# Altium PCB Tag201_GangProgrammerRev2.PcbDoc (part 2 of 7) (continued)
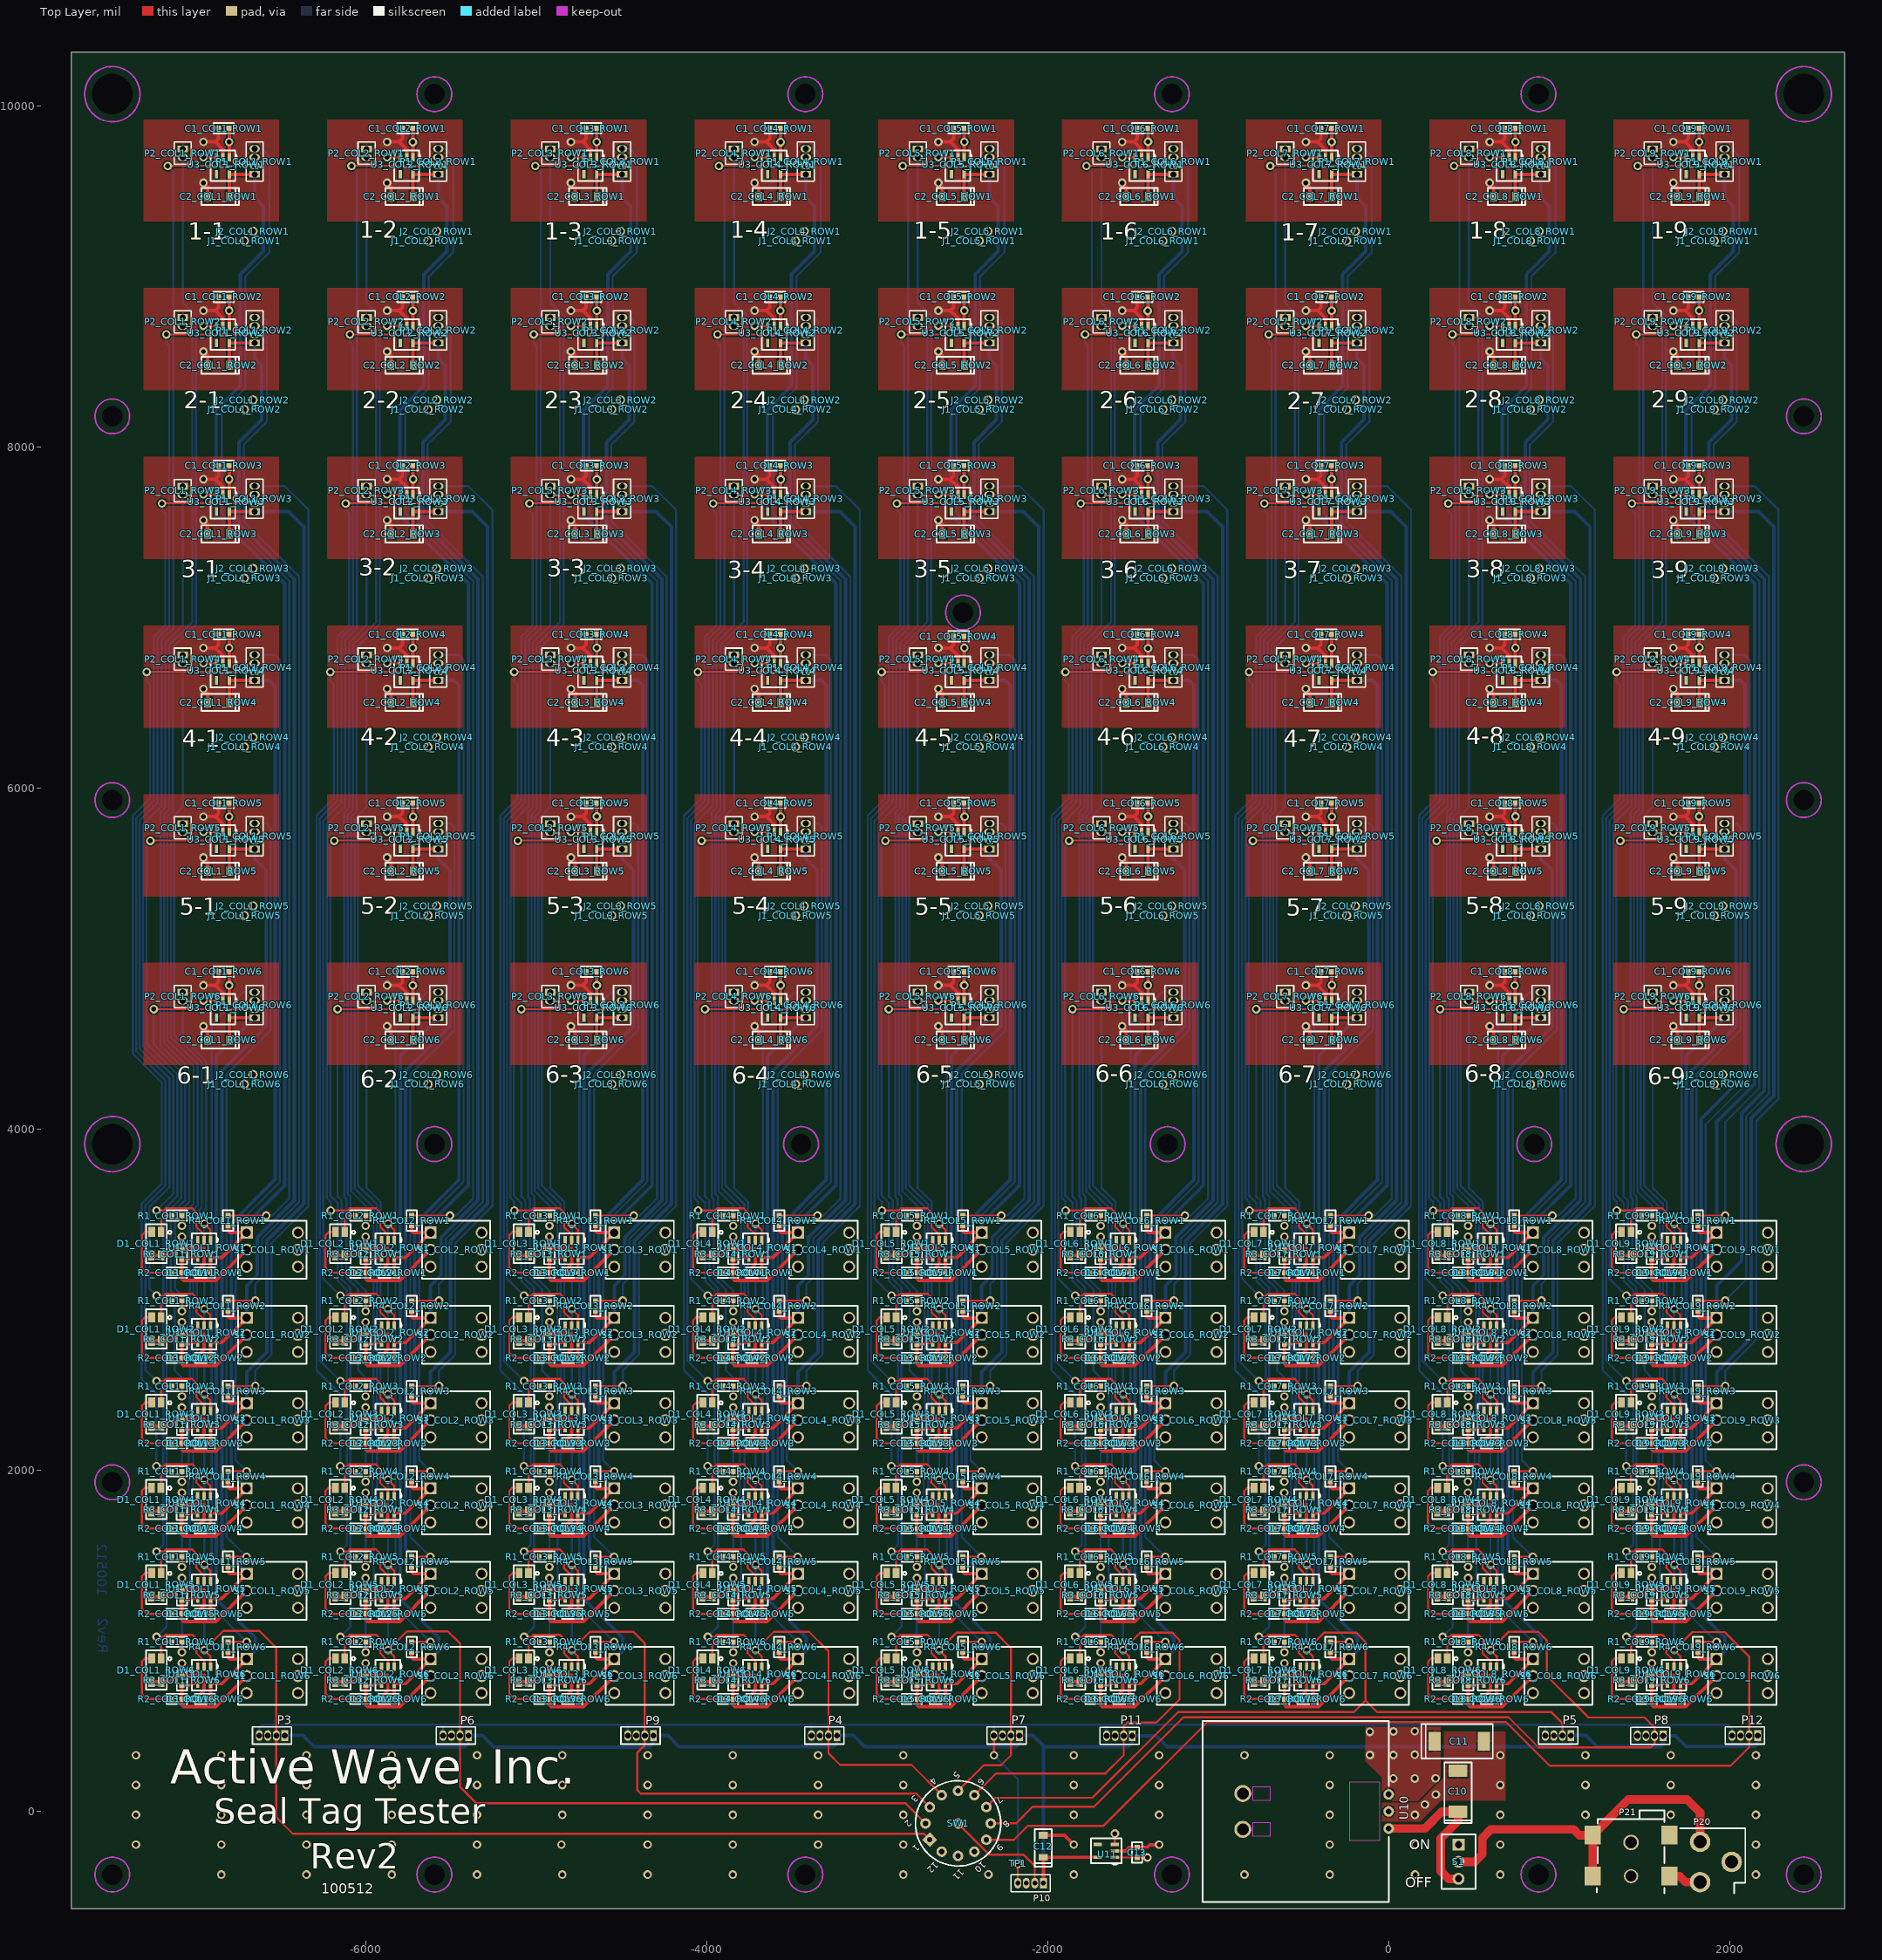
[diagram p0: Top Layer view]
## Components (designator, comment, footprint, x,y, rotation, side; value= is the part's Value field where it differs from the comment) (continued)
R1_COL9_ROW1 "130" 0603_072205 1513.5,3494 r0 top (schematic designator R1)
R1_COL9_ROW2 "130" 0603_072205 1513.5,2994 r0 top (schematic designator R1)
R1_COL9_ROW3 "130" 0603_072205 1513.5,2494 r0 top (schematic designator R1)
R1_COL9_ROW4 "130" 0603_072205 1513,1994 r0 top (schematic designator R1)
R1_COL9_ROW5 "130" 0603_072205 1513.5,1494 r0 top (schematic designator R1)
R1_COL9_ROW6 "130" 0603_072205 1513.5,994 r0 top (schematic designator R1)
R2_COL1_ROW1 "130" 0603_072205 -7106.5,3159 r0 top (schematic designator R2)
R2_COL1_ROW2 "130" 0603_072205 -7106.5,2659 r0 top (schematic designator R2)
R2_COL1_ROW3 "130" 0603_072205 -7106.5,2159 r0 top (schematic designator R2)
R2_COL1_ROW4 "130" 0603_072205 -7107,1659 r0 top (schematic designator R2)
R2_COL1_ROW5 "130" 0603_072205 -7106.5,1159 r0 top (schematic designator R2)
R2_COL1_ROW6 "130" 0603_072205 -7106.5,659 r0 top (schematic designator R2)
R2_COL2_ROW1 "130" 0603_072205 -6029,3159 r0 top (schematic designator R2)
R2_COL2_ROW2 "130" 0603_072205 -6029,2659 r0 top (schematic designator R2)
R2_COL2_ROW3 "130" 0603_072205 -6029,2159 r0 top (schematic designator R2)
R2_COL2_ROW4 "130" 0603_072205 -6029.5,1659 r0 top (schematic designator R2)
R2_COL2_ROW5 "130" 0603_072205 -6029,1159 r0 top (schematic designator R2)
R2_COL2_ROW6 "130" 0603_072205 -6029,659 r0 top (schematic designator R2)
R2_COL3_ROW1 "130" 0603_072205 -4951.5,3159 r0 top (schematic designator R2)
R2_COL3_ROW2 "130" 0603_072205 -4951.5,2659 r0 top (schematic designator R2)
R2_COL3_ROW3 "130" 0603_072205 -4951.5,2159 r0 top (schematic designator R2)
R2_COL3_ROW4 "130" 0603_072205 -4952,1659 r0 top (schematic designator R2)
R2_COL3_ROW5 "130" 0603_072205 -4951.5,1159 r0 top (schematic designator R2)
R2_COL3_ROW6 "130" 0603_072205 -4951.5,659 r0 top (schematic designator R2)
R2_COL4_ROW1 "130" 0603_072205 -3874,3159 r0 top (schematic designator R2)
R2_COL4_ROW2 "130" 0603_072205 -3874,2659 r0 top (schematic designator R2)
R2_COL4_ROW3 "130" 0603_072205 -3874,2159 r0 top (schematic designator R2)
R2_COL4_ROW4 "130" 0603_072205 -3874.5,1659 r0 top (schematic designator R2)
R2_COL4_ROW5 "130" 0603_072205 -3874,1159 r0 top (schematic designator R2)
R2_COL4_ROW6 "130" 0603_072205 -3874,659 r0 top (schematic designator R2)
R2_COL5_ROW1 "130" 0603_072205 -2796.5,3159 r0 top (schematic designator R2)
R2_COL5_ROW2 "130" 0603_072205 -2796.5,2659 r0 top (schematic designator R2)
R2_COL5_ROW3 "130" 0603_072205 -2796.5,2159 r0 top (schematic designator R2)
R2_COL5_ROW4 "130" 0603_072205 -2797,1659 r0 top (schematic designator R2)
R2_COL5_ROW5 "130" 0603_072205 -2796.5,1159 r0 top (schematic designator R2)
R2_COL5_ROW6 "130" 0603_072205 -2796.5,659 r0 top (schematic designator R2)
R2_COL6_ROW1 "130" 0603_072205 -1719,3159 r0 top (schematic designator R2)
R2_COL6_ROW2 "130" 0603_072205 -1719,2659 r0 top (schematic designator R2)
R2_COL6_ROW3 "130" 0603_072205 -1719,2159 r0 top (schematic designator R2)
R2_COL6_ROW4 "130" 0603_072205 -1719.5,1659 r0 top (schematic designator R2)
R2_COL6_ROW5 "130" 0603_072205 -1719,1159 r0 top (schematic designator R2)
R2_COL6_ROW6 "130" 0603_072205 -1719,659 r0 top (schematic designator R2)
R2_COL7_ROW1 "130" 0603_072205 -641.5,3159 r0 top (schematic designator R2)
R2_COL7_ROW2 "130" 0603_072205 -641.5,2659 r0 top (schematic designator R2)
R2_COL7_ROW3 "130" 0603_072205 -641.5,2159 r0 top (schematic designator R2)
R2_COL7_ROW4 "130" 0603_072205 -642,1659 r0 top (schematic designator R2)
R2_COL7_ROW5 "130" 0603_072205 -641.5,1159 r0 top (schematic designator R2)
R2_COL7_ROW6 "130" 0603_072205 -641.5,659 r0 top (schematic designator R2)
R2_COL8_ROW1 "130" 0603_072205 436,3159 r0 top (schematic designator R2)
R2_COL8_ROW2 "130" 0603_072205 436,2659 r0 top (schematic designator R2)
R2_COL8_ROW3 "130" 0603_072205 436,2159 r0 top (schematic designator R2)
R2_COL8_ROW4 "130" 0603_072205 435.5,1659 r0 top (schematic designator R2)
R2_COL8_ROW5 "130" 0603_072205 436,1159 r0 top (schematic designator R2)
R2_COL8_ROW6 "130" 0603_072205 436,659 r0 top (schematic designator R2)
R2_COL9_ROW1 "130" 0603_072205 1513.5,3159 r0 top (schematic designator R2)
R2_COL9_ROW2 "130" 0603_072205 1513.5,2659 r0 top (schematic designator R2)
R2_COL9_ROW3 "130" 0603_072205 1513.5,2159 r0 top (schematic designator R2)
R2_COL9_ROW4 "130" 0603_072205 1513,1659 r0 top (schematic designator R2)
R2_COL9_ROW5 "130" 0603_072205 1513.5,1159 r0 top (schematic designator R2)
R2_COL9_ROW6 "130" 0603_072205 1513.5,659 r0 top (schematic designator R2)
R3_COL1_ROW1 "1K" 0603_072205 -7076.5,3269 r270 top (schematic designator R3)
R3_COL1_ROW2 "1K" 0603_072205 -7076.5,2769 r270 top (schematic designator R3)
R3_COL1_ROW3 "1K" 0603_072205 -7076.5,2269 r270 top (schematic designator R3)
R3_COL1_ROW4 "1K" 0603_072205 -7077,1769 r270 top (schematic designator R3)
R3_COL1_ROW5 "1K" 0603_072205 -7076.5,1269 r270 top (schematic designator R3)
R3_COL1_ROW6 "1K" 0603_072205 -7076.5,769 r270 top (schematic designator R3)
R3_COL2_ROW1 "1K" 0603_072205 -5999,3269 r270 top (schematic designator R3)
R3_COL2_ROW2 "1K" 0603_072205 -5999,2769 r270 top (schematic designator R3)
R3_COL2_ROW3 "1K" 0603_072205 -5999,2269 r270 top (schematic designator R3)
R3_COL2_ROW4 "1K" 0603_072205 -5999.5,1769 r270 top (schematic designator R3)
R3_COL2_ROW5 "1K" 0603_072205 -5999,1269 r270 top (schematic designator R3)
R3_COL2_ROW6 "1K" 0603_072205 -5999,769 r270 top (schematic designator R3)
R3_COL3_ROW1 "1K" 0603_072205 -4921.5,3269 r270 top (schematic designator R3)
R3_COL3_ROW2 "1K" 0603_072205 -4921.5,2769 r270 top (schematic designator R3)
R3_COL3_ROW3 "1K" 0603_072205 -4921.5,2269 r270 top (schematic designator R3)
R3_COL3_ROW4 "1K" 0603_072205 -4922,1769 r270 top (schematic designator R3)
R3_COL3_ROW5 "1K" 0603_072205 -4921.5,1269 r270 top (schematic designator R3)
R3_COL3_ROW6 "1K" 0603_072205 -4921.5,769 r270 top (schematic designator R3)
R3_COL4_ROW1 "1K" 0603_072205 -3844,3269 r270 top (schematic designator R3)
R3_COL4_ROW2 "1K" 0603_072205 -3844,2769 r270 top (schematic designator R3)
R3_COL4_ROW3 "1K" 0603_072205 -3844,2269 r270 top (schematic designator R3)
R3_COL4_ROW4 "1K" 0603_072205 -3844.5,1769 r270 top (schematic designator R3)
R3_COL4_ROW5 "1K" 0603_072205 -3844,1269 r270 top (schematic designator R3)
R3_COL4_ROW6 "1K" 0603_072205 -3844,769 r270 top (schematic designator R3)
R3_COL5_ROW1 "1K" 0603_072205 -2766.5,3269 r270 top (schematic designator R3)
R3_COL5_ROW2 "1K" 0603_072205 -2766.5,2769 r270 top (schematic designator R3)
R3_COL5_ROW3 "1K" 0603_072205 -2766.5,2269 r270 top (schematic designator R3)
R3_COL5_ROW4 "1K" 0603_072205 -2767,1769 r270 top (schematic designator R3)
R3_COL5_ROW5 "1K" 0603_072205 -2766.5,1269 r270 top (schematic designator R3)
R3_COL5_ROW6 "1K" 0603_072205 -2766.5,769 r270 top (schematic designator R3)
R3_COL6_ROW1 "1K" 0603_072205 -1689,3269 r270 top (schematic designator R3)
R3_COL6_ROW2 "1K" 0603_072205 -1689,2769 r270 top (schematic designator R3)
R3_COL6_ROW3 "1K" 0603_072205 -1689,2269 r270 top (schematic designator R3)
R3_COL6_ROW4 "1K" 0603_072205 -1689.5,1769 r270 top (schematic designator R3)
R3_COL6_ROW5 "1K" 0603_072205 -1689,1269 r270 top (schematic designator R3)
R3_COL6_ROW6 "1K" 0603_072205 -1689,769 r270 top (schematic designator R3)
R3_COL7_ROW1 "1K" 0603_072205 -611.5,3269 r270 top (schematic designator R3)
R3_COL7_ROW2 "1K" 0603_072205 -611.5,2769 r270 top (schematic designator R3)
R3_COL7_ROW3 "1K" 0603_072205 -611.5,2269 r270 top (schematic designator R3)
R3_COL7_ROW4 "1K" 0603_072205 -612,1769 r270 top (schematic designator R3)
R3_COL7_ROW5 "1K" 0603_072205 -611.5,1269 r270 top (schematic designator R3)
R3_COL7_ROW6 "1K" 0603_072205 -611.5,769 r270 top (schematic designator R3)
R3_COL8_ROW1 "1K" 0603_072205 466,3269 r270 top (schematic designator R3)
R3_COL8_ROW2 "1K" 0603_072205 466,2769 r270 top (schematic designator R3)
R3_COL8_ROW3 "1K" 0603_072205 466,2269 r270 top (schematic designator R3)
R3_COL8_ROW4 "1K" 0603_072205 465.5,1769 r270 top (schematic designator R3)
R3_COL8_ROW5 "1K" 0603_072205 466,1269 r270 top (schematic designator R3)
R3_COL8_ROW6 "1K" 0603_072205 466,769 r270 top (schematic designator R3)
R3_COL9_ROW1 "1K" 0603_072205 1543.5,3269 r270 top (schematic designator R3)
R3_COL9_ROW2 "1K" 0603_072205 1543.5,2769 r270 top (schematic designator R3)
R3_COL9_ROW3 "1K" 0603_072205 1543.5,2269 r270 top (schematic designator R3)
R3_COL9_ROW4 "1K" 0603_072205 1543,1769 r270 top (schematic designator R3)
R3_COL9_ROW5 "1K" 0603_072205 1543.5,1269 r270 top (schematic designator R3)
R3_COL9_ROW6 "1K" 0603_072205 1543.5,769 r270 top (schematic designator R3)
R4_COL1_ROW1 "1K" 0603_072205 -6806.5,3464 r270 top (schematic designator R4)
R4_COL1_ROW2 "1K" 0603_072205 -6806.5,2964 r270 top (schematic designator R4)
R4_COL1_ROW3 "1K" 0603_072205 -6806.5,2464 r270 top (schematic designator R4)
R4_COL1_ROW4 "1K" 0603_072205 -6807,1964 r270 top (schematic designator R4)
R4_COL1_ROW5 "1K" 0603_072205 -6806.5,1464 r270 top (schematic designator R4)
R4_COL1_ROW6 "1K" 0603_072205 -6806.5,964 r270 top (schematic designator R4)
R4_COL2_ROW1 "1K" 0603_072205 -5729,3464 r270 top (schematic designator R4)
R4_COL2_ROW2 "1K" 0603_072205 -5729,2964 r270 top (schematic designator R4)
R4_COL2_ROW3 "1K" 0603_072205 -5729,2464 r270 top (schematic designator R4)
R4_COL2_ROW4 "1K" 0603_072205 -5729.5,1964 r270 top (schematic designator R4)
R4_COL2_ROW5 "1K" 0603_072205 -5729,1464 r270 top (schematic designator R4)
R4_COL2_ROW6 "1K" 0603_072205 -5729,964 r270 top (schematic designator R4)
R4_COL3_ROW1 "1K" 0603_072205 -4651.5,3464 r270 top (schematic designator R4)
R4_COL3_ROW2 "1K" 0603_072205 -4651.5,2964 r270 top (schematic designator R4)
R4_COL3_ROW3 "1K" 0603_072205 -4651.5,2464 r270 top (schematic designator R4)
R4_COL3_ROW4 "1K" 0603_072205 -4652,1964 r270 top (schematic designator R4)
R4_COL3_ROW5 "1K" 0603_072205 -4651.5,1464 r270 top (schematic designator R4)
R4_COL3_ROW6 "1K" 0603_072205 -4651.5,964 r270 top (schematic designator R4)
R4_COL4_ROW1 "1K" 0603_072205 -3574,3464 r270 top (schematic designator R4)
R4_COL4_ROW2 "1K" 0603_072205 -3574,2964 r270 top (schematic designator R4)
R4_COL4_ROW3 "1K" 0603_072205 -3574,2464 r270 top (schematic designator R4)
R4_COL4_ROW4 "1K" 0603_072205 -3574.5,1964 r270 top (schematic designator R4)
R4_COL4_ROW5 "1K" 0603_072205 -3574,1464 r270 top (schematic designator R4)
R4_COL4_ROW6 "1K" 0603_072205 -3574,964 r270 top (schematic designator R4)
R4_COL5_ROW1 "1K" 0603_072205 -2496.5,3464 r270 top (schematic designator R4)
R4_COL5_ROW2 "1K" 0603_072205 -2496.5,2964 r270 top (schematic designator R4)
R4_COL5_ROW3 "1K" 0603_072205 -2496.5,2464 r270 top (schematic designator R4)
R4_COL5_ROW4 "1K" 0603_072205 -2497,1964 r270 top (schematic designator R4)
R4_COL5_ROW5 "1K" 0603_072205 -2496.5,1464 r270 top (schematic designator R4)
R4_COL5_ROW6 "1K" 0603_072205 -2496.5,964 r270 top (schematic designator R4)
R4_COL6_ROW1 "1K" 0603_072205 -1419,3464 r270 top (schematic designator R4)
R4_COL6_ROW2 "1K" 0603_072205 -1419,2964 r270 top (schematic designator R4)
R4_COL6_ROW3 "1K" 0603_072205 -1419,2464 r270 top (schematic designator R4)
R4_COL6_ROW4 "1K" 0603_072205 -1419.5,1964 r270 top (schematic designator R4)
R4_COL6_ROW5 "1K" 0603_072205 -1419,1464 r270 top (schematic designator R4)
R4_COL6_ROW6 "1K" 0603_072205 -1419,964 r270 top (schematic designator R4)
R4_COL7_ROW1 "1K" 0603_072205 -341.5,3464 r270 top (schematic designator R4)
R4_COL7_ROW2 "1K" 0603_072205 -341.5,2964 r270 top (schematic designator R4)
R4_COL7_ROW3 "1K" 0603_072205 -341.5,2464 r270 top (schematic designator R4)
R4_COL7_ROW4 "1K" 0603_072205 -342,1964 r270 top (schematic designator R4)
R4_COL7_ROW5 "1K" 0603_072205 -341.5,1464 r270 top (schematic designator R4)
R4_COL7_ROW6 "1K" 0603_072205 -341.5,964 r270 top (schematic designator R4)
R4_COL8_ROW1 "1K" 0603_072205 736,3464 r270 top (schematic designator R4)
R4_COL8_ROW2 "1K" 0603_072205 736,2964 r270 top (schematic designator R4)
R4_COL8_ROW3 "1K" 0603_072205 736,2464 r270 top (schematic designator R4)
R4_COL8_ROW4 "1K" 0603_072205 735.5,1964 r270 top (schematic designator R4)
R4_COL8_ROW5 "1K" 0603_072205 736,1464 r270 top (schematic designator R4)
R4_COL8_ROW6 "1K" 0603_072205 736,964 r270 top (schematic designator R4)
R4_COL9_ROW1 "1K" 0603_072205 1813.5,3464 r270 top (schematic designator R4)
R4_COL9_ROW2 "1K" 0603_072205 1813.5,2964 r270 top (schematic designator R4)
R4_COL9_ROW3 "1K" 0603_072205 1813.5,2464 r270 top (schematic designator R4)
R4_COL9_ROW4 "1K" 0603_072205 1813,1964 r270 top (schematic designator R4)
R4_COL9_ROW5 "1K" 0603_072205 1813.5,1464 r270 top (schematic designator R4)
R4_COL9_ROW6 "1K" 0603_072205 1813.5,964 r270 top (schematic designator R4)
S1 "SPDT" CnK_TseriesSPDT_Toggle_040512 410,-295 r270 top
S1_COL1_ROW1 "SPST" SwitchDPDT_6_061412 -6546.5,3294 r0 top (schematic designator S1)
S1_COL1_ROW2 "SPST" SwitchDPDT_6_061412 -6546.5,2794 r0 top (schematic designator S1)
S1_COL1_ROW3 "SPST" SwitchDPDT_6_061412 -6546.5,2294 r0 top (schematic designator S1)
S1_COL1_ROW4 "SPST" SwitchDPDT_6_061412 -6547,1794 r0 top (schematic designator S1)
S1_COL1_ROW5 "SPST" SwitchDPDT_6_061412 -6546.5,1294 r0 top (schematic designator S1)
S1_COL1_ROW6 "SPST" SwitchDPDT_6_061412 -6546.5,794 r0 top (schematic designator S1)
S1_COL2_ROW1 "SPST" SwitchDPDT_6_061412 -5469,3294 r0 top (schematic designator S1)
S1_COL2_ROW2 "SPST" SwitchDPDT_6_061412 -5469,2794 r0 top (schematic designator S1)
S1_COL2_ROW3 "SPST" SwitchDPDT_6_061412 -5469,2294 r0 top (schematic designator S1)
S1_COL2_ROW4 "SPST" SwitchDPDT_6_061412 -5469.5,1794 r0 top (schematic designator S1)
S1_COL2_ROW5 "SPST" SwitchDPDT_6_061412 -5469,1294 r0 top (schematic designator S1)
S1_COL2_ROW6 "SPST" SwitchDPDT_6_061412 -5469,794 r0 top (schematic designator S1)
S1_COL3_ROW1 "SPST" SwitchDPDT_6_061412 -4391.5,3294 r0 top (schematic designator S1)
S1_COL3_ROW2 "SPST" SwitchDPDT_6_061412 -4391.5,2794 r0 top (schematic designator S1)
S1_COL3_ROW3 "SPST" SwitchDPDT_6_061412 -4391.5,2294 r0 top (schematic designator S1)
S1_COL3_ROW4 "SPST" SwitchDPDT_6_061412 -4392,1794 r0 top (schematic designator S1)
S1_COL3_ROW5 "SPST" SwitchDPDT_6_061412 -4391.5,1294 r0 top (schematic designator S1)
S1_COL3_ROW6 "SPST" SwitchDPDT_6_061412 -4391.5,794 r0 top (schematic designator S1)
S1_COL4_ROW1 "SPST" SwitchDPDT_6_061412 -3314,3294 r0 top (schematic designator S1)
S1_COL4_ROW2 "SPST" SwitchDPDT_6_061412 -3314,2794 r0 top (schematic designator S1)
S1_COL4_ROW3 "SPST" SwitchDPDT_6_061412 -3314,2294 r0 top (schematic designator S1)
S1_COL4_ROW4 "SPST" SwitchDPDT_6_061412 -3314.5,1794 r0 top (schematic designator S1)
S1_COL4_ROW5 "SPST" SwitchDPDT_6_061412 -3314,1294 r0 top (schematic designator S1)
S1_COL4_ROW6 "SPST" SwitchDPDT_6_061412 -3314,794 r0 top (schematic designator S1)
S1_COL5_ROW1 "SPST" SwitchDPDT_6_061412 -2236.5,3294 r0 top (schematic designator S1)
S1_COL5_ROW2 "SPST" SwitchDPDT_6_061412 -2236.5,2794 r0 top (schematic designator S1)
S1_COL5_ROW3 "SPST" SwitchDPDT_6_061412 -2236.5,2294 r0 top (schematic designator S1)
S1_COL5_ROW4 "SPST" SwitchDPDT_6_061412 -2237,1794 r0 top (schematic designator S1)
S1_COL5_ROW5 "SPST" SwitchDPDT_6_061412 -2236.5,1294 r0 top (schematic designator S1)
S1_COL5_ROW6 "SPST" SwitchDPDT_6_061412 -2236.5,794 r0 top (schematic designator S1)
S1_COL6_ROW1 "SPST" SwitchDPDT_6_061412 -1159,3294 r0 top (schematic designator S1)
S1_COL6_ROW2 "SPST" SwitchDPDT_6_061412 -1159,2794 r0 top (schematic designator S1)
S1_COL6_ROW3 "SPST" SwitchDPDT_6_061412 -1159,2294 r0 top (schematic designator S1)
S1_COL6_ROW4 "SPST" SwitchDPDT_6_061412 -1159.5,1794 r0 top (schematic designator S1)
S1_COL6_ROW5 "SPST" SwitchDPDT_6_061412 -1159,1294 r0 top (schematic designator S1)
S1_COL6_ROW6 "SPST" SwitchDPDT_6_061412 -1159,794 r0 top (schematic designator S1)
S1_COL7_ROW1 "SPST" SwitchDPDT_6_061412 -81.5,3294 r0 top (schematic designator S1)
S1_COL7_ROW2 "SPST" SwitchDPDT_6_061412 -81.5,2794 r0 top (schematic designator S1)
S1_COL7_ROW3 "SPST" SwitchDPDT_6_061412 -81.5,2294 r0 top (schematic designator S1)
S1_COL7_ROW4 "SPST" SwitchDPDT_6_061412 -82,1794 r0 top (schematic designator S1)
S1_COL7_ROW5 "SPST" SwitchDPDT_6_061412 -81.5,1294 r0 top (schematic designator S1)
S1_COL7_ROW6 "SPST" SwitchDPDT_6_061412 -81.5,794 r0 top (schematic designator S1)
S1_COL8_ROW1 "SPST" SwitchDPDT_6_061412 996,3294 r0 top (schematic designator S1)
S1_COL8_ROW2 "SPST" SwitchDPDT_6_061412 996,2794 r0 top (schematic designator S1)
S1_COL8_ROW3 "SPST" SwitchDPDT_6_061412 996,2294 r0 top (schematic designator S1)
S1_COL8_ROW4 "SPST" SwitchDPDT_6_061412 995.5,1794 r0 top (schematic designator S1)
S1_COL8_ROW5 "SPST" SwitchDPDT_6_061412 996,1294 r0 top (schematic designator S1)
S1_COL8_ROW6 "SPST" SwitchDPDT_6_061412 996,794 r0 top (schematic designator S1)
S1_COL9_ROW1 "SPST" SwitchDPDT_6_061412 2073.5,3294 r0 top (schematic designator S1)
S1_COL9_ROW2 "SPST" SwitchDPDT_6_061412 2073.5,2794 r0 top (schematic designator S1)
S1_COL9_ROW3 "SPST" SwitchDPDT_6_061412 2073.5,2294 r0 top (schematic designator S1)
S1_COL9_ROW4 "SPST" SwitchDPDT_6_061412 2073,1794 r0 top (schematic designator S1)
S1_COL9_ROW5 "SPST" SwitchDPDT_6_061412 2073.5,1294 r0 top (schematic designator S1)
S1_COL9_ROW6 "SPST" SwitchDPDT_6_061412 2073.5,794 r0 top (schematic designator S1)
SW1 "ROTARY SWITCH" SWITCH_ROTARY_1P12T_101912 -2525,-70 r225 top
TP1 "TEST PAD" TestPoint52x32 -2174.5,-305 r0 top
U1_COL1_ROW1 "74LVC1G66" SOT25_030205 -6946.5,3299 r90 top (schematic designator U1)
U1_COL1_ROW2 "74LVC1G66" SOT25_030205 -6946.5,2799 r90 top (schematic designator U1)
U1_COL1_ROW3 "74LVC1G66" SOT25_030205 -6946.5,2299 r90 top (schematic designator U1)
U1_COL1_ROW4 "74LVC1G66" SOT25_030205 -6947,1799 r90 top (schematic designator U1)
U1_COL1_ROW5 "74LVC1G66" SOT25_030205 -6946.5,1299 r90 top (schematic designator U1)
U1_COL1_ROW6 "74LVC1G66" SOT25_030205 -6946.5,799 r90 top (schematic designator U1)
U1_COL2_ROW1 "74LVC1G66" SOT25_030205 -5869,3299 r90 top (schematic designator U1)
U1_COL2_ROW2 "74LVC1G66" SOT25_030205 -5869,2799 r90 top (schematic designator U1)
U1_COL2_ROW3 "74LVC1G66" SOT25_030205 -5869,2299 r90 top (schematic designator U1)
U1_COL2_ROW4 "74LVC1G66" SOT25_030205 -5869.5,1799 r90 top (schematic designator U1)
U1_COL2_ROW5 "74LVC1G66" SOT25_030205 -5869,1299 r90 top (schematic designator U1)
U1_COL2_ROW6 "74LVC1G66" SOT25_030205 -5869,799 r90 top (schematic designator U1)
U1_COL3_ROW1 "74LVC1G66" SOT25_030205 -4791.5,3299 r90 top (schematic designator U1)
U1_COL3_ROW2 "74LVC1G66" SOT25_030205 -4791.5,2799 r90 top (schematic designator U1)
U1_COL3_ROW3 "74LVC1G66" SOT25_030205 -4791.5,2299 r90 top (schematic designator U1)
U1_COL3_ROW4 "74LVC1G66" SOT25_030205 -4792,1799 r90 top (schematic designator U1)
U1_COL3_ROW5 "74LVC1G66" SOT25_030205 -4791.5,1299 r90 top (schematic designator U1)
U1_COL3_ROW6 "74LVC1G66" SOT25_030205 -4791.5,799 r90 top (schematic designator U1)
U1_COL4_ROW1 "74LVC1G66" SOT25_030205 -3714,3299 r90 top (schematic designator U1)
U1_COL4_ROW2 "74LVC1G66" SOT25_030205 -3714,2799 r90 top (schematic designator U1)
U1_COL4_ROW3 "74LVC1G66" SOT25_030205 -3714,2299 r90 top (schematic designator U1)
U1_COL4_ROW4 "74LVC1G66" SOT25_030205 -3714.5,1799 r90 top (schematic designator U1)
U1_COL4_ROW5 "74LVC1G66" SOT25_030205 -3714,1299 r90 top (schematic designator U1)
U1_COL4_ROW6 "74LVC1G66" SOT25_030205 -3714,799 r90 top (schematic designator U1)
U1_COL5_ROW1 "74LVC1G66" SOT25_030205 -2636.5,3299 r90 top (schematic designator U1)
U1_COL5_ROW2 "74LVC1G66" SOT25_030205 -2636.5,2799 r90 top (schematic designator U1)
U1_COL5_ROW3 "74LVC1G66" SOT25_030205 -2636.5,2299 r90 top (schematic designator U1)
U1_COL5_ROW4 "74LVC1G66" SOT25_030205 -2637,1799 r90 top (schematic designator U1)
U1_COL5_ROW5 "74LVC1G66" SOT25_030205 -2636.5,1299 r90 top (schematic designator U1)
U1_COL5_ROW6 "74LVC1G66" SOT25_030205 -2636.5,799 r90 top (schematic designator U1)
U1_COL6_ROW1 "74LVC1G66" SOT25_030205 -1559,3299 r90 top (schematic designator U1)
U1_COL6_ROW2 "74LVC1G66" SOT25_030205 -1559,2799 r90 top (schematic designator U1)
U1_COL6_ROW3 "74LVC1G66" SOT25_030205 -1559,2299 r90 top (schematic designator U1)
U1_COL6_ROW4 "74LVC1G66" SOT25_030205 -1559.5,1799 r90 top (schematic designator U1)
U1_COL6_ROW5 "74LVC1G66" SOT25_030205 -1559,1299 r90 top (schematic designator U1)
U1_COL6_ROW6 "74LVC1G66" SOT25_030205 -1559,799 r90 top (schematic designator U1)
U1_COL7_ROW1 "74LVC1G66" SOT25_030205 -481.5,3299 r90 top (schematic designator U1)
U1_COL7_ROW2 "74LVC1G66" SOT25_030205 -481.5,2799 r90 top (schematic designator U1)
U1_COL7_ROW3 "74LVC1G66" SOT25_030205 -481.5,2299 r90 top (schematic designator U1)
U1_COL7_ROW4 "74LVC1G66" SOT25_030205 -482,1799 r90 top (schematic designator U1)
U1_COL7_ROW5 "74LVC1G66" SOT25_030205 -481.5,1299 r90 top (schematic designator U1)
U1_COL7_ROW6 "74LVC1G66" SOT25_030205 -481.5,799 r90 top (schematic designator U1)
U1_COL8_ROW1 "74LVC1G66" SOT25_030205 596,3299 r90 top (schematic designator U1)
U1_COL8_ROW2 "74LVC1G66" SOT25_030205 596,2799 r90 top (schematic designator U1)
U1_COL8_ROW3 "74LVC1G66" SOT25_030205 596,2299 r90 top (schematic designator U1)
U1_COL8_ROW4 "74LVC1G66" SOT25_030205 595.5,1799 r90 top (schematic designator U1)
U1_COL8_ROW5 "74LVC1G66" SOT25_030205 596,1299 r90 top (schematic designator U1)
U1_COL8_ROW6 "74LVC1G66" SOT25_030205 596,799 r90 top (schematic designator U1)
U1_COL9_ROW1 "74LVC1G66" SOT25_030205 1673.5,3299 r90 top (schematic designator U1)
U1_COL9_ROW2 "74LVC1G66" SOT25_030205 1673.5,2799 r90 top (schematic designator U1)
U1_COL9_ROW3 "74LVC1G66" SOT25_030205 1673.5,2299 r90 top (schematic designator U1)
U1_COL9_ROW4 "74LVC1G66" SOT25_030205 1673,1799 r90 top (schematic designator U1)
U1_COL9_ROW5 "74LVC1G66" SOT25_030205 1673.5,1299 r90 top (schematic designator U1)
U1_COL9_ROW6 "74LVC1G66" SOT25_030205 1673.5,799 r90 top (schematic designator U1)
U3_COL1_ROW1 "LP2980" SOT25_030205 -6836.5,9649 r90 top (schematic designator U3)
U3_COL1_ROW2 "LP2980" SOT25_030205 -6836.5,8660 r90 top (schematic designator U3)
U3_COL1_ROW3 "LP2980" SOT25_030205 -6836.5,7671 r90 top (schematic designator U3)
U3_COL1_ROW4 "LP2980" SOT25_030205 -6836.5,6682 r90 top (schematic designator U3)
U3_COL1_ROW5 "LP2980" SOT25_030205 -6836.5,5693 r90 top (schematic designator U3)
U3_COL1_ROW6 "LP2980" SOT25_030205 -6836.5,4704 r90 top (schematic designator U3)
U3_COL2_ROW1 "LP2980" SOT25_030205 -5759,9649 r90 top (schematic designator U3)
U3_COL2_ROW2 "LP2980" SOT25_030205 -5759,8660 r90 top (schematic designator U3)
U3_COL2_ROW3 "LP2980" SOT25_030205 -5759,7671 r90 top (schematic designator U3)
U3_COL2_ROW4 "LP2980" SOT25_030205 -5759,6682 r90 top (schematic designator U3)
U3_COL2_ROW5 "LP2980" SOT25_030205 -5759,5693 r90 top (schematic designator U3)
U3_COL2_ROW6 "LP2980" SOT25_030205 -5759,4704 r90 top (schematic designator U3)
U3_COL3_ROW1 "LP2980" SOT25_030205 -4681.5,9649 r90 top (schematic designator U3)
U3_COL3_ROW2 "LP2980" SOT25_030205 -4681.5,8660 r90 top (schematic designator U3)
U3_COL3_ROW3 "LP2980" SOT25_030205 -4681.5,7671 r90 top (schematic designator U3)
U3_COL3_ROW4 "LP2980" SOT25_030205 -4681.5,6682 r90 top (schematic designator U3)
U3_COL3_ROW5 "LP2980" SOT25_030205 -4681.5,5693 r90 top (schematic designator U3)
U3_COL3_ROW6 "LP2980" SOT25_030205 -4681.5,4704 r90 top (schematic designator U3)
U3_COL4_ROW1 "LP2980" SOT25_030205 -3604,9649 r90 top (schematic designator U3)
U3_COL4_ROW2 "LP2980" SOT25_030205 -3604,8660 r90 top (schematic designator U3)
U3_COL4_ROW3 "LP2980" SOT25_030205 -3604,7671 r90 top (schematic designator U3)
U3_COL4_ROW4 "LP2980" SOT25_030205 -3604,6682 r90 top (schematic designator U3)
U3_COL4_ROW5 "LP2980" SOT25_030205 -3604,5693 r90 top (schematic designator U3)
U3_COL4_ROW6 "LP2980" SOT25_030205 -3604,4704 r90 top (schematic designator U3)
U3_COL5_ROW1 "LP2980" SOT25_030205 -2526.5,9649 r90 top (schematic designator U3)
U3_COL5_ROW2 "LP2980" SOT25_030205 -2526.5,8660 r90 top (schematic designator U3)
U3_COL5_ROW3 "LP2980" SOT25_030205 -2526.5,7671 r90 top (schematic designator U3)
U3_COL5_ROW4 "LP2980" SOT25_030205 -2526.5,6682 r90 top (schematic designator U3)
U3_COL5_ROW5 "LP2980" SOT25_030205 -2526.5,5693 r90 top (schematic designator U3)
U3_COL5_ROW6 "LP2980" SOT25_030205 -2526.5,4704 r90 top (schematic designator U3)
U3_COL6_ROW1 "LP2980" SOT25_030205 -1449,9649 r90 top (schematic designator U3)
U3_COL6_ROW2 "LP2980" SOT25_030205 -1449,8660 r90 top (schematic designator U3)
U3_COL6_ROW3 "LP2980" SOT25_030205 -1449,7671 r90 top (schematic designator U3)
U3_COL6_ROW4 "LP2980" SOT25_030205 -1449,6682 r90 top (schematic designator U3)
U3_COL6_ROW5 "LP2980" SOT25_030205 -1449,5693 r90 top (schematic designator U3)
U3_COL6_ROW6 "LP2980" SOT25_030205 -1449,4704 r90 top (schematic designator U3)
U3_COL7_ROW1 "LP2980" SOT25_030205 -371.5,9649 r90 top (schematic designator U3)
U3_COL7_ROW2 "LP2980" SOT25_030205 -371.5,8660 r90 top (schematic designator U3)
U3_COL7_ROW3 "LP2980" SOT25_030205 -371.5,7671 r90 top (schematic designator U3)
U3_COL7_ROW4 "LP2980" SOT25_030205 -371.5,6682 r90 top (schematic designator U3)
U3_COL7_ROW5 "LP2980" SOT25_030205 -371.5,5693 r90 top (schematic designator U3)
U3_COL7_ROW6 "LP2980" SOT25_030205 -371.5,4704 r90 top (schematic designator U3)
U3_COL8_ROW1 "LP2980" SOT25_030205 706,9649 r90 top (schematic designator U3)
U3_COL8_ROW2 "LP2980" SOT25_030205 706,8660 r90 top (schematic designator U3)
U3_COL8_ROW3 "LP2980" SOT25_030205 706,7671 r90 top (schematic designator U3)
U3_COL8_ROW4 "LP2980" SOT25_030205 706,6682 r90 top (schematic designator U3)
U3_COL8_ROW5 "LP2980" SOT25_030205 706,5693 r90 top (schematic designator U3)
U3_COL8_ROW6 "LP2980" SOT25_030205 706,4704 r90 top (schematic designator U3)
U3_COL9_ROW1 "LP2980" SOT25_030205 1783.5,9649 r90 top (schematic designator U3)
U3_COL9_ROW2 "LP2980" SOT25_030205 1783.5,8660 r90 top (schematic designator U3)
U3_COL9_ROW3 "LP2980" SOT25_030205 1783.5,7671 r90 top (schematic designator U3)
U3_COL9_ROW4 "LP2980" SOT25_030205 1783.5,6682 r90 top (schematic designator U3)
U3_COL9_ROW5 "LP2980" SOT25_030205 1783.5,5693 r90 top (schematic designator U3)
U3_COL9_ROW6 "LP2980" SOT25_030205 1783.5,4704 r90 top (schematic designator U3)
U10 "PT5101A" TI_PowerTrendsPT_061812 0,-100 r90 top
U11 "LP2980" SOT25_030205 -1656,-231 r0 top